# Allegro board 6089-119-RevB_08.brd (continued)
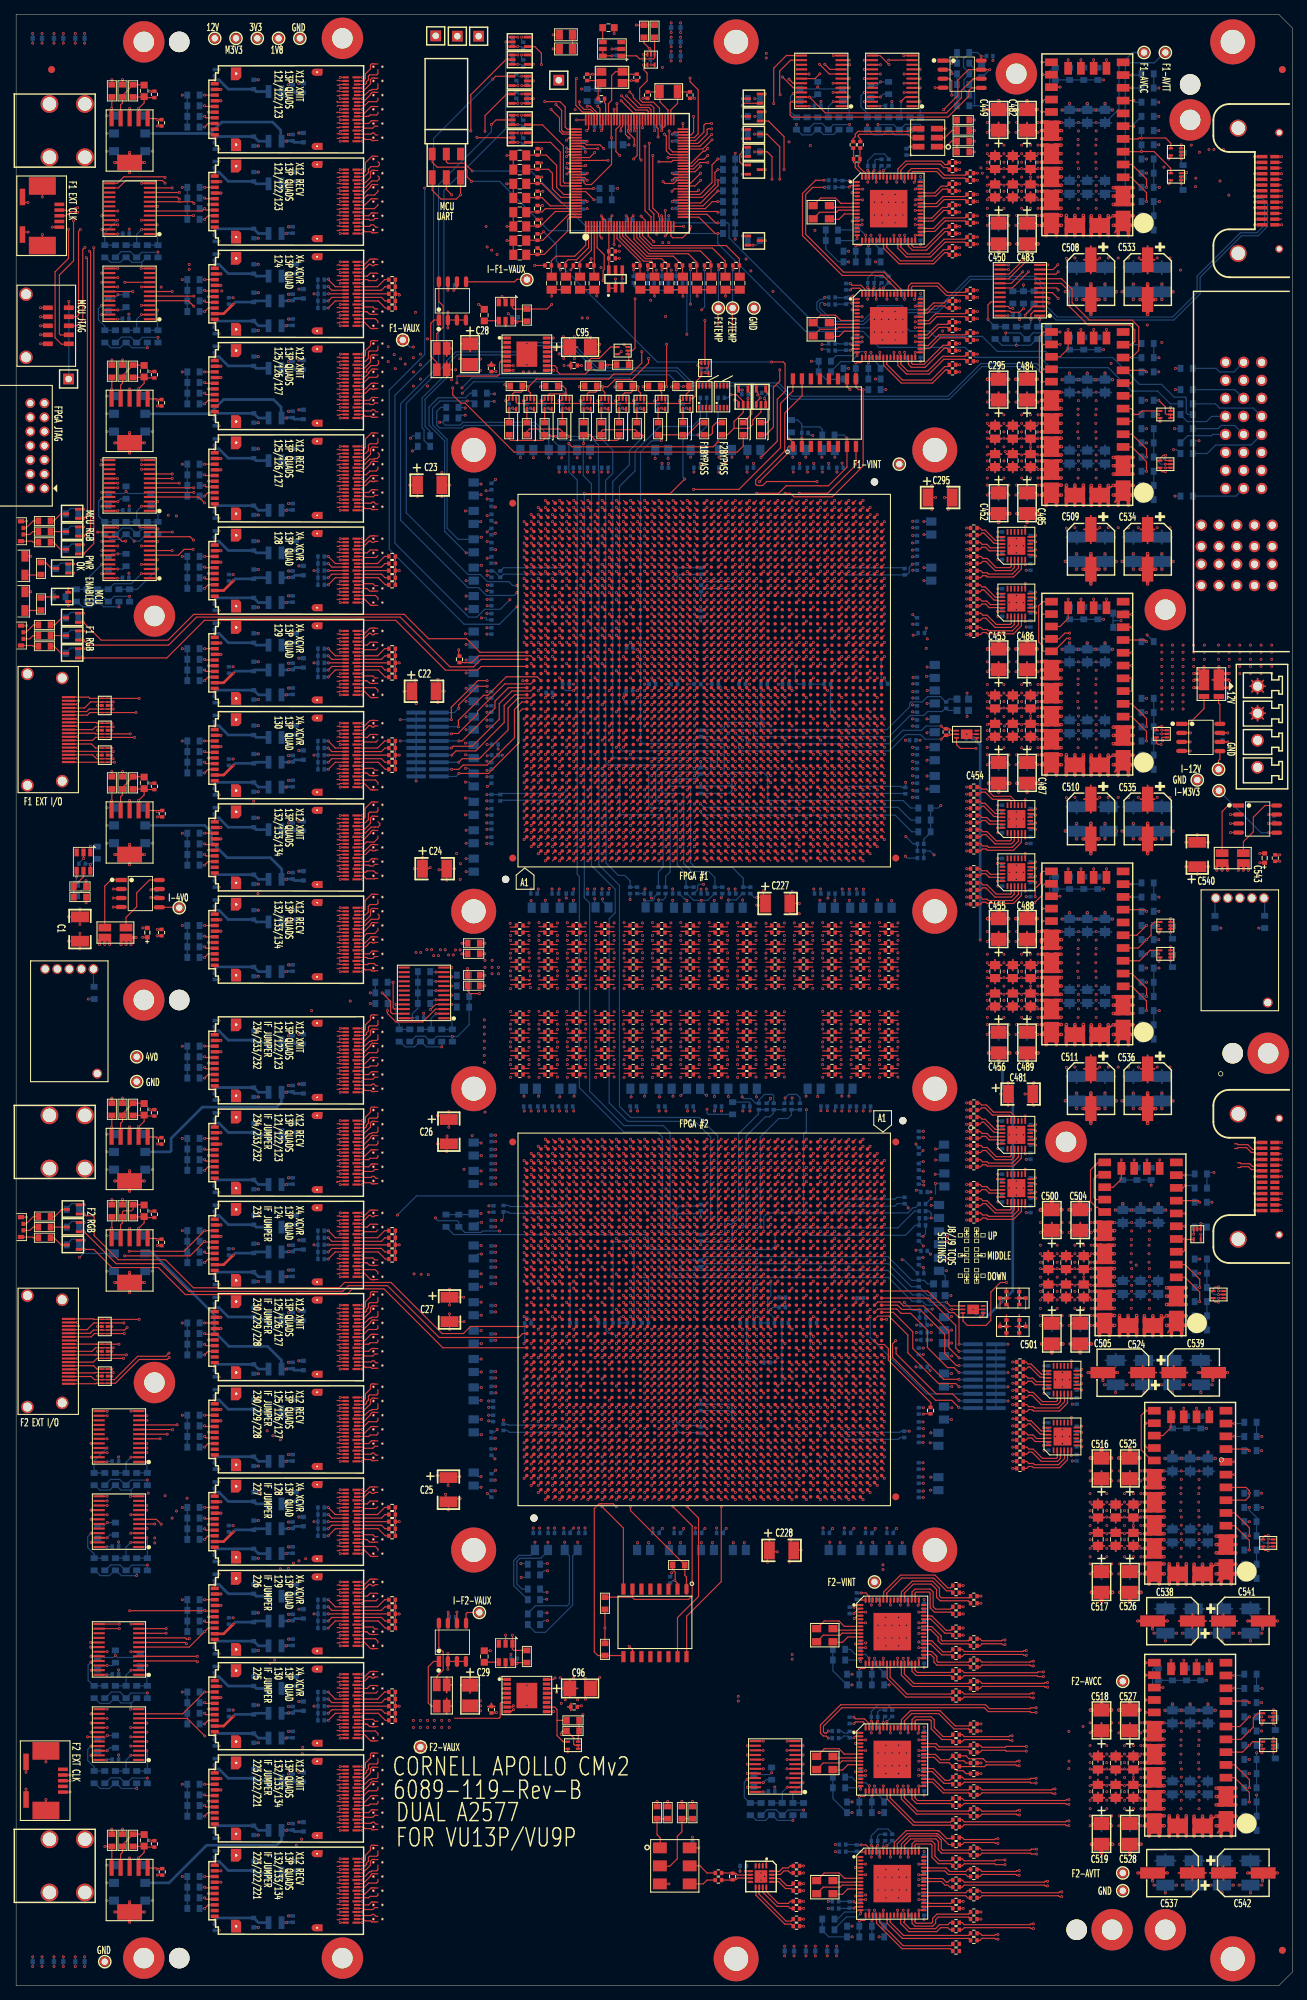
[diagram p0: board, top side]
## Routing (per net, layer and track width the routed paths; a pad name or vN(x,y) marks a point on that pad's centre or on a via; arc(x,y) is an arc through that point) (continued)
NF1_FF6_RECV2: length 70.7
  TOP w0.165: U75.W51 89.61,209.29 ; U30.B15 45.65,183.9 45.56,183.81 45.25,183.81
  SIG4 w0.083: 45.25,183.81 45.45,184.01 arc(45.48,184.03) 45.51,184.04 48.82,184.04 arc(49.3,184.13) 49.7,184.4 arc(50.09,184.66) 50.55,184.75 52.96,184.75 arc(53.78,184.91) 54.48,185.38 56.19,187.09 arc(56.79,187.99) 57,189.04 57,190.69 arc(57.03,190.76) 57.1,190.79 arc(57.17,190.82) 57.2,190.89 57.2,191.02 arc(57.17,191.09) 57.1,191.12 arc(57.03,191.15) 57,191.22 57,191.35 arc(57.03,191.42) 57.1,191.45 arc(57.17,191.48) 57.2,191.55 57.2,191.68 arc(57.17,191.75) 57.1,191.78 arc(57.03,191.81) 57,191.88 57,192.01 arc(57.03,192.08) 57.1,192.11 arc(57.17,192.14) 57.2,192.21 57.2,192.34 arc(57.17,192.41) 57.1,192.44 arc(57.03,192.47) 57,192.54 57,199.8 arc(57.15,200.54) 57.57,201.17 70.64,214.25 arc(71.13,214.58) 71.71,214.69 84.87,214.69 arc(85.6,214.55) 86.22,214.13 89.59,210.76 arc(89.89,210.32) 89.99,209.8 89.99,209.11 arc(89.93,208.96) 89.77,208.9 89.69,208.9 arc(89.63,208.92) 89.61,208.98 89.61,209.29
NF1_FF6_RECV3: length 65.9
  TOP w0.165: U30.A15 49.26,183.9 49.3,183.86 49.49,183.86 49.83,183.52 50.16,183.52 50.19,183.49 50.54,183.49 50.57,183.52 51,183.52 ; U75.V49 88.61,207.29
  SIG3 w0.083: 88.61,207.29 88.61,206.98 arc(88.63,206.92) 88.69,206.9 88.77,206.9 arc(88.96,206.97) 89.04,207.16 89.04,209.17 arc(88.86,210.09) 88.34,210.87 87.01,212.19 arc(86.46,212.56) 85.81,212.69 75.47,212.69 arc(75.41,212.67) 75.39,212.61 arc(75.37,212.56) 75.31,212.53 75.14,212.53 arc(75.08,212.56) 75.06,212.61 arc(75.04,212.67) 74.98,212.69 74.81,212.69 arc(74.75,212.67) 74.73,212.61 arc(74.71,212.56) 74.65,212.53 74.48,212.53 arc(74.42,212.56) 74.4,212.61 arc(74.38,212.67) 74.32,212.69 74.15,212.69 arc(74.09,212.67) 74.07,212.61 arc(74.05,212.56) 73.99,212.53 73.82,212.53 arc(73.76,212.56) 73.74,212.61 arc(73.72,212.67) 73.66,212.69 73.49,212.69 arc(73.43,212.67) 73.41,212.61 arc(73.39,212.56) 73.33,212.53 73.16,212.53 arc(73.1,212.56) 73.08,212.61 arc(73.06,212.67) 73,212.69 71.71,212.69 arc(70.49,212.45) 69.45,211.75 57.59,199.89 arc(57.15,199.24) 57,198.48 57,187.98 arc(56.88,187.4) 56.56,186.91 54.09,184.44 arc(53.38,183.96) 52.53,183.8 52.17,183.8 arc(52.14,183.79) 52.11,183.77 52.11,183.76 arc(52.08,183.75) 52.05,183.74 52,183.74 51.88,183.62 arc(51.77,183.54) 51.64,183.52 51,183.52
NF1_FF6_XMIT0: length 61.9
  TOP w0.165: 51,191.28 50.57,191.28 50.54,191.31 50.19,191.31 50.16,191.28 49.88,191.28 49,190.4 U30.A2 ; U75.AA46 91.61,204.29
  SIG2 w0.083: 51,191.28 51.64,191.28 arc(51.77,191.26) 51.88,191.18 52,191.06 52.05,191.06 arc(52.08,191.05) 52.11,191.04 52.11,191.03 arc(52.14,191.01) 52.17,191 52.67,191 arc(53.03,191.08) 53.33,191.28 55.09,193.03 arc(55.61,193.81) 55.79,194.73 55.79,195.96 arc(56.07,197.37) 56.87,198.57 69.34,211.04 arc(70.29,211.68) 71.42,211.9 88.17,211.9 arc(89.12,211.71) 89.92,211.18 90.79,210.31 arc(91.13,209.8) 91.25,209.19 91.25,204.04 arc(91.29,203.94) 91.39,203.9 91.48,203.9 arc(91.57,203.93) 91.61,204.02 91.61,204.29
NF1_FF6_XMIT1: length 70.2
  TOP w0.165: U30.B2 45.65,190.4 45.58,190.47 45.25,190.47 ; U75.Y44 90.61,202.29
  SIG1 w0.083: 90.61,202.29 90.61,202.02 arc(90.57,201.93) 90.48,201.9 90.39,201.9 arc(90.29,201.94) 90.25,202.04 90.25,209.43 arc(90.17,209.81) 89.95,210.14 88.85,211.25 arc(88.13,211.73) 87.27,211.9 67.25,211.9 arc(66.47,211.75) 65.81,211.3 55.43,200.93 arc(54.96,200.22) 54.79,199.38 54.79,192.16 arc(54.68,191.58) 54.35,191.09 53.72,190.47 arc(53.15,190.08) 52.47,189.95 49.96,189.95 arc(49.77,189.99) 49.6,190.1 arc(49.44,190.21) 49.25,190.25 45.51,190.25 arc(45.48,190.25) 45.45,190.27 45.25,190.47
NF1_FF6_XMIT2: length 59.8
  TOP w0.165: U30.A5 49.5,188.9 49.91,189.31 50.75,189.31 50.78,189.28 51,189.28 ; U75.W46 89.61,204.29
  SIG2 w0.083: 89.61,204.29 89.61,204.02 arc(89.57,203.93) 89.48,203.9 89.39,203.9 arc(89.29,203.94) 89.25,204.04 89.25,209.01 arc(89.1,209.74) 88.69,210.36 88.55,210.5 arc(88.11,210.8) 87.59,210.9 72.44,210.9 arc(71.53,210.72) 70.75,210.2 57.51,196.96 arc(56.98,196.16) 56.79,195.23 56.79,193.29 arc(56.64,192.55) 56.22,191.92 53.68,189.38 arc(53.27,189.1) 52.78,189 52.72,189 52.17,189 arc(52.14,189.01) 52.11,189.03 52.11,189.04 arc(52.08,189.05) 52.05,189.06 52,189.06 51.88,189.18 arc(51.77,189.26) 51.64,189.28 51,189.28
NF1_FF6_XMIT3: length 68.3
  TOP w0.165: U30.B5 45.65,188.9 45.58,188.97 45.25,188.97 ; U75.V44 88.61,202.29
  SIG1 w0.083: 88.61,202.29 88.61,202.02 arc(88.57,201.93) 88.48,201.9 88.39,201.9 arc(88.29,201.94) 88.25,202.04 88.25,209.28 arc(88.16,209.76) 87.89,210.16 87.54,210.51 arc(87.1,210.8) 86.59,210.9 67.75,210.9 arc(67.06,210.76) 66.48,210.37 56.27,200.16 arc(55.91,199.64) 55.79,199.01 55.79,191.55 arc(55.65,190.85) 55.26,190.26 53.68,188.68 arc(52.93,188.18) 52.04,188 50.82,188 arc(50.29,188.1) 49.85,188.4 arc(49.47,188.66) 49.02,188.75 45.51,188.75 arc(45.48,188.75) 45.45,188.77 45.25,188.97
NF1_FF7_RECV0: length 80.2
  TOP w0.165: U31.B18 45.65,169.4 45.56,169.31 45.25,169.31 ; U75.U51 87.61,209.29
  SIG4 w0.083: 87.61,209.29 87.61,208.98 arc(87.63,208.92) 87.69,208.9 87.77,208.9 arc(88.12,208.75) 88.26,208.41 88.26,208.14 arc(88.22,207.93) 88.1,207.75 arc(87.97,207.67) 87.83,207.64 85.6,207.64 arc(85.38,207.68) 85.2,207.81 arc(85.08,207.98) 85.04,208.18 85.04,209.31 arc(84.9,210.01) 84.5,210.6 83.92,211.18 arc(83.36,211.56) 82.69,211.69 72.37,211.69 arc(71.79,211.57) 71.29,211.24 60.55,200.5 arc(60.14,199.89) 60,199.18 60,177.71 arc(59.79,176.66) 59.2,175.78 54.06,170.64 arc(53.18,170.05) 52.13,169.84 49.69,169.84 arc(49.64,169.83) 49.6,169.8 arc(49.3,169.6) 48.96,169.54 45.51,169.54 arc(45.48,169.53) 45.45,169.51 45.25,169.31
NF1_FF7_RECV1: length 76.1
  TOP w0.165: U31.A18 49.1,169.4 49.98,168.52 50.16,168.52 50.19,168.49 50.54,168.49 50.57,168.52 51,168.52 ; U75.T49 86.61,207.29
  SIG3 w0.083: 86.61,207.29 86.61,206.98 arc(86.63,206.92) 86.69,206.9 86.77,206.9 arc(87.12,206.75) 87.26,206.41 87.26,206.14 arc(87.22,205.93) 87.1,205.75 arc(86.97,205.67) 86.83,205.64 84.6,205.64 arc(84.38,205.68) 84.2,205.81 arc(84.08,205.98) 84.04,206.18 84.04,209.38 arc(84.03,209.44) 84,209.48 83.93,209.55 arc(83.78,209.65) 83.59,209.69 71.41,209.69 arc(70.74,209.56) 70.18,209.18 60.58,199.58 arc(60.15,198.94) 60,198.18 60,176.97 arc(59.72,175.57) 58.93,174.38 54.03,169.48 arc(53.27,168.97) 52.37,168.8 52.17,168.8 arc(52.14,168.79) 52.11,168.77 52.11,168.76 arc(52.08,168.75) 52.05,168.74 52,168.74 51.88,168.62 arc(51.77,168.54) 51.64,168.52 51,168.52
NF1_FF7_RECV2: length 76.6
  TOP w0.165: U31.B15 45.65,170.9 45.56,170.81 45.25,170.81 ; U75.R51 85.61,209.29
  SIG4 w0.083: 85.61,209.29 85.61,208.98 arc(85.63,208.92) 85.69,208.9 85.77,208.9 arc(85.93,208.96) 85.99,209.11 85.99,209.65 arc(85.86,210.31) 85.49,210.86 84.24,212.11 arc(83.6,212.54) 82.84,212.69 71.94,212.69 arc(71.38,212.58) 70.91,212.27 59.56,200.91 arc(59.15,200.29) 59,199.56 59,177.92 arc(58.85,177.16) 58.41,176.51 56.49,174.59 arc(56.47,174.54) 56.49,174.49 arc(56.51,174.44) 56.49,174.39 56.36,174.26 arc(56.31,174.24) 56.26,174.26 arc(56.21,174.28) 56.16,174.26 56.03,174.12 arc(56.01,174.07) 56.03,174.02 arc(56.05,173.97) 56.03,173.93 55.89,173.79 arc(55.84,173.77) 55.79,173.79 arc(55.74,173.81) 55.7,173.79 55.56,173.65 arc(55.54,173.6) 55.56,173.56 arc(55.58,173.51) 55.56,173.46 55.42,173.32 arc(55.37,173.3) 55.33,173.32 arc(55.28,173.34) 55.23,173.32 55.09,173.19 arc(55.07,173.14) 55.09,173.09 arc(55.11,173.04) 55.09,172.99 54.96,172.86 arc(54.91,172.84) 54.86,172.86 arc(54.81,172.88) 54.76,172.86 54.49,172.58 arc(53.57,171.97) 52.48,171.75 50.55,171.75 arc(50.09,171.66) 49.7,171.4 arc(49.3,171.13) 48.82,171.04 45.51,171.04 arc(45.48,171.03) 45.45,171.01 45.25,170.81
NF1_FF7_RECV3: length 71.7
  TOP w0.165: 51,170.52 50.57,170.52 50.54,170.49 50.19,170.49 50.16,170.52 49.83,170.52 49.49,170.86 49.3,170.86 49.26,170.9 U31.A15 ; U75.P49 84.61,207.29
  SIG3 w0.083: 84.61,207.29 84.61,206.98 arc(84.63,206.92) 84.69,206.9 84.77,206.9 arc(84.96,206.97) 85.04,207.16 85.04,209.6 arc(84.96,210.02) 84.72,210.37 84.55,210.54 arc(84.38,210.65) 84.18,210.69 76.39,210.69 arc(76.35,210.67) 76.34,210.63 arc(76.32,210.59) 76.28,210.57 76.06,210.57 arc(76.02,210.59) 76.01,210.63 arc(75.99,210.67) 75.95,210.69 75.73,210.69 arc(75.69,210.67) 75.68,210.63 arc(75.66,210.59) 75.62,210.57 75.4,210.57 arc(75.36,210.59) 75.35,210.63 arc(75.33,210.67) 75.29,210.69 75.07,210.69 arc(75.03,210.67) 75.02,210.63 arc(75,210.59) 74.96,210.57 74.74,210.57 arc(74.7,210.59) 74.69,210.63 arc(74.67,210.67) 74.63,210.69 74.41,210.69 arc(74.37,210.67) 74.36,210.63 arc(74.34,210.59) 74.3,210.57 74.08,210.57 arc(74.04,210.59) 74.03,210.63 arc(74.01,210.67) 73.97,210.69 73.75,210.69 arc(73.71,210.67) 73.7,210.63 arc(73.68,210.59) 73.64,210.57 73.42,210.57 arc(73.38,210.59) 73.37,210.63 arc(73.35,210.67) 73.31,210.69 71.64,210.69 arc(70.81,210.53) 70.1,210.06 59.68,199.64 arc(59.18,198.88) 59,197.99 59,177.69 arc(58.78,176.59) 58.16,175.66 54.08,171.58 arc(53.21,171) 52.19,170.8 52.17,170.8 arc(52.14,170.79) 52.11,170.77 52.11,170.76 arc(52.08,170.75) 52.05,170.74 52,170.74 51.88,170.62 arc(51.77,170.54) 51.64,170.52 51,170.52
NF1_FF7_XMIT0: length 64.3
  TOP w0.165: U31.A2 49,177.4 49.88,178.28 50.16,178.28 50.19,178.31 50.54,178.31 50.57,178.28 51,178.28 ; U75.U46 87.61,204.29
  SIG2 w0.083: 51,178.28 51.64,178.28 arc(51.77,178.26) 51.88,178.18 52,178.06 52.05,178.06 arc(52.08,178.05) 52.11,178.04 52.11,178.03 arc(52.14,178.01) 52.17,178 53.64,178 54.72,178 arc(55.73,178.2) 56.58,178.77 57.25,179.45 arc(57.65,180.04) 57.79,180.75 57.79,194.4 arc(58.04,195.64) 58.73,196.68 68.12,206.06 arc(69.05,206.69) 70.16,206.91 85.75,206.91 arc(86.07,206.78) 86.2,206.46 86.2,204.05 arc(86.24,203.94) 86.35,203.9 87.3,203.9 arc(87.52,203.99) 87.61,204.21 87.61,204.29
NF1_FF7_XMIT1: length 66.3
  TOP w0.165: 45.25,177.47 45.58,177.47 45.65,177.4 U31.B2 ; U75.T44 86.61,202.29
  SIG1 w0.083: 45.25,177.47 45.45,177.27 arc(45.48,177.25) 45.51,177.25 49.25,177.25 arc(49.44,177.21) 49.6,177.1 arc(49.77,176.99) 49.96,176.95 51.22,176.95 arc(51.81,177.07) 52.3,177.4 56.16,181.25 arc(56.63,181.96) 56.79,182.79 56.79,193.64 arc(56.99,194.65) 57.57,195.51 67.32,205.27 arc(68.03,205.74) 68.87,205.91 84.55,205.91 arc(85.05,205.7) 85.26,205.2 85.26,202.2 arc(85.34,201.99) 85.55,201.91 86.4,201.91 arc(86.55,201.97) 86.61,202.12 86.61,202.29
NF1_FF7_XMIT2: length 61.6
  TOP w0.165: U75.R46 85.61,204.29 ; U31.A5 49.5,175.9 49.91,176.31 50.75,176.31 50.78,176.28 51,176.28
  SIG2 w0.083: 51,176.28 51.64,176.28 arc(51.77,176.26) 51.88,176.18 52,176.06 52.05,176.06 arc(52.08,176.05) 52.11,176.04 52.11,176.03 arc(52.14,176.01) 52.17,176 53.44,176 54.22,176 arc(55.23,176.2) 56.08,176.77 57.83,178.52 arc(58.54,179.59) 58.79,180.85 58.79,194.24 arc(59,195.3) 59.6,196.2 68.74,205.34 arc(69.32,205.72) 70,205.86 84.75,205.86 arc(85.07,205.73) 85.2,205.41 85.2,204.07 arc(85.25,203.95) 85.37,203.9 85.5,203.9 arc(85.58,203.93) 85.61,204.01 85.61,204.29
NF1_FF7_XMIT3: length 64.6
  TOP w0.165: U75.P44 84.61,202.29 ; U31.B5 45.65,175.9 45.58,175.97 45.25,175.97
  SIG1 w0.083: 84.61,202.29 84.61,202.21 arc(84.52,201.99) 84.3,201.9 79.5,201.9 arc(79.29,201.99) 79.2,202.2 79.2,204.31 arc(79.04,204.7) 78.65,204.86 69.31,204.86 arc(68.34,204.67) 67.52,204.12 58.43,195.03 arc(57.96,194.32) 57.79,193.48 57.79,181.51 arc(57.55,180.29) 56.85,179.25 53.05,175.45 arc(52.56,175.12) 51.97,175 50.82,175 arc(50.29,175.1) 49.85,175.4 arc(49.47,175.66) 49.02,175.75 45.51,175.75 arc(45.48,175.75) 45.45,175.77 45.25,175.97
NF1_G_RECV0: length 21.9
  TOP w0.165: C105.1 82.38,141.73 81.69,141.73 ; U75.N1 83.61,158.51
  SIG4 w0.083: 81.69,141.73 81.9,141.52 arc(81.92,141.51) 81.95,141.5 82.9,141.5 arc(83.49,141.75) 83.74,142.34 83.74,150.86 arc(83.74,150.92) 83.75,150.99 arc(83.8,151.16) 83.86,151.32 arc(83.96,151.67) 84,152.04 84,152.32 83.8,152.52 83.8,152.85 84,153.05 84,153.38 83.8,153.58 83.8,153.91 84,154.11 84,154.27 83.99,154.28 83.99,154.74 84,154.74 84,155.36 83.9,155.46 83.9,155.79 84,155.89 84,156.22 83.9,156.32 83.9,156.65 84,156.75 84,157.08 83.9,157.18 83.9,157.51 84,157.61 84,158.68 arc(83.93,158.84) 83.77,158.9 83.69,158.9 arc(83.63,158.88) 83.61,158.82 83.61,158.51
NF1_G_RECV1: length 21.2
  TOP w0.165: U75.M3 82.61,160.51 ; C103.1 82.38,144.23 81.69,144.23
  SIG4 w0.083: 82.61,160.51 82.61,160.82 arc(82.63,160.88) 82.69,160.9 82.77,160.9 arc(82.93,160.84) 83,160.68 83,158.22 82.85,158.07 82.85,157.74 83,157.59 83,157.26 82.85,157.11 82.85,156.78 83,156.63 83,156.3 82.85,156.15 82.85,155.82 83,155.67 83,155.34 82.85,155.19 82.85,154.86 83,154.71 83,154.38 82.85,154.23 82.85,153.9 83,153.75 83,152.36 arc(83,152.3) 83.01,152.23 arc(83.05,152.08) 83.12,151.93 arc(83.22,151.69) 83.25,151.43 83.25,144.45 arc(83.12,144.13) 82.8,144 81.95,144 arc(81.92,144.01) 81.9,144.02 81.69,144.23
NF1_G_RECV2: length 16.1
  TOP w0.165: U75.L1 81.61,158.51 ; 81.69,146.73 82.38,146.73 C101.1
  SIG4 w0.083: 81.69,146.73 81.9,146.52 arc(81.92,146.51) 81.95,146.5 82.2,146.5 arc(82.52,146.63) 82.65,146.95 82.65,150.7 arc(82.62,151) 82.52,151.28 arc(82.45,151.4) 82.38,151.5 arc(82.26,151.69) 82.16,151.89 82.03,152.2 arc(82.01,152.28) 82,152.36 82,152.51 81.85,152.66 81.85,152.99 82,153.14 82,153.47 81.85,153.62 81.85,153.95 82,154.1 82,154.81 81.9,154.91 81.9,155.24 82,155.34 82,155.67 81.9,155.77 81.9,156.1 82,156.2 82,156.53 81.9,156.63 81.9,156.96 82,157.06 82,157.39 81.9,157.49 81.9,157.82 82,157.92 82,158.68 arc(81.93,158.84) 81.77,158.9 81.69,158.9 arc(81.63,158.88) 81.61,158.82 81.61,158.51
NF1_G_RECV3: length 15.5
  TOP w0.165: U75.K3 80.61,160.51 ; 81.7,149.23 82.38,149.23 C99.1
  SIG4 w0.083: 80.61,160.51 80.61,160.82 arc(80.63,160.88) 80.69,160.9 80.77,160.9 arc(80.93,160.84) 81,160.68 81,158.26 80.85,158.11 80.85,157.78 81,157.63 81,157.3 80.85,157.15 80.85,156.82 81,156.67 81,156.34 80.85,156.19 80.85,155.86 81,155.71 81,155.38 80.85,155.23 80.85,154.9 81,154.75 81,154.24 80.85,154.09 80.85,153.76 81,153.61 81,152.63 arc(81.11,152.05) 81.44,151.56 81.71,151.3 arc(81.99,150.87) 82.09,150.37 82.09,149.14 arc(82.05,149.04) 81.95,149 81.87,149 arc(81.81,149.02) 81.79,149.08 81.79,149.14 arc(81.76,149.2) 81.7,149.23
NF1_G_XMIT0: length 39.1
  TOP w0.165: C113.2 82.38,129.23 81.69,129.23 ; U75.N6 83.61,163.51
  SIG3 w0.083: 83.61,163.51 83.61,163.82 arc(83.63,163.88) 83.69,163.9 83.77,163.9 arc(83.95,163.83) 84.03,163.65 84.03,155 arc(84.02,154.99) 84.02,154.98 arc(84.01,154.89) 84,154.81 arc(83.95,154.56) 83.86,154.33 83.85,154.31 arc(83.8,154.19) 83.76,154.05 83.75,154.01 arc(83.74,153.94) 83.74,153.88 83.74,139.65 83.6,139.51 83.6,139.18 83.74,139.04 83.74,138.71 83.6,138.57 83.6,138.24 83.74,138.1 83.74,137.77 83.6,137.63 83.6,137.3 83.74,137.16 83.74,136.83 83.6,136.69 83.6,136.36 83.74,136.21 83.74,135.88 83.6,135.74 83.6,135.41 83.74,135.27 83.74,130.7 arc(83.24,129.5) 82.04,129 81.95,129 arc(81.92,129.01) 81.9,129.02 81.69,129.23
NF1_G_XMIT1: length 38.5
  TOP w0.165: C111.2 82.38,131.73 81.69,131.73 ; U75.M8 82.61,165.51
  SIG3 w0.083: 81.69,131.73 81.78,131.64 arc(81.92,131.54) 82.1,131.51 82.68,131.51 arc(82.88,131.56) 83.03,131.69 arc(83.04,131.73) 83.05,131.77 83.05,141.8 82.95,141.9 82.95,142.23 83.05,142.33 83.05,142.66 82.95,142.76 82.95,143.09 83.05,143.19 83.05,143.52 82.95,143.62 82.95,143.95 83.05,144.05 83.05,144.38 82.95,144.48 82.95,144.81 83.05,144.91 83.05,145.24 82.95,145.34 82.95,145.67 83.05,145.77 83.05,146.1 82.95,146.2 82.95,146.53 83.05,146.63 83.05,146.96 82.95,147.06 82.95,147.39 83.05,147.49 83.05,147.82 82.95,147.92 82.95,148.25 83.05,148.35 83.05,165.66 arc(82.98,165.83) 82.81,165.9 82.7,165.9 arc(82.64,165.87) 82.61,165.81 82.61,165.51
NF1_G_XMIT2: length 33.6
  TOP w0.165: 81.69,134.23 82.38,134.23 C109.2 ; U75.L6 81.61,163.51
  SIG3 w0.083: 81.69,134.23 81.9,134.02 arc(81.92,134.01) 81.95,134 82.04,134 arc(82.26,134.04) 82.46,134.15 arc(82.49,134.19) 82.5,134.23 82.5,138.88 arc(82.46,139.16) 82.37,139.42 arc(82.21,139.76) 82.07,140.12 arc(82.06,140.19) 82.05,140.27 82.05,152.6 arc(82.05,152.62) 82.04,152.63 arc(82.01,152.73) 82,152.84 82,153.35 arc(82,153.42) 82.01,153.48 82.04,153.62 arc(82.05,153.66) 82.05,153.7 82.05,154.1 81.85,154.3 81.85,154.34 81.9,154.39 81.9,154.68 81.85,154.73 81.85,154.85 82.05,155.05 82.05,155.38 81.85,155.58 81.85,155.91 82.05,156.11 82.05,156.44 81.85,156.64 81.85,156.97 82.05,157.17 82.05,157.5 81.85,157.7 81.85,158.03 82.05,158.23 82.05,163.63 arc(81.97,163.82) 81.77,163.9 81.69,163.9 arc(81.63,163.88) 81.61,163.82 81.61,163.51
NF1_G_XMIT3: length 33.2
  TOP w0.165: U75.K8 80.61,165.51 ; 81.6,136.73 82.38,136.73 C107.2
  SIG3 w0.083: 81.6,136.73 81.6,136.73 81.8,136.52 arc(81.82,136.51) 81.86,136.5 81.94,136.5 arc(82.01,136.53) 82.04,136.6 82.04,138.38 arc(81.92,138.96) 81.59,139.46 81.14,139.92 arc(80.99,140.13) 80.94,140.39 80.94,143.23 80.8,143.37 80.8,143.7 80.94,143.84 80.94,144.17 80.8,144.31 80.8,144.64 80.94,144.78 80.94,145.11 80.8,145.25 80.8,145.58 80.94,145.72 80.94,146.05 80.8,146.19 80.8,146.52 80.94,146.66 80.94,146.99 80.8,147.13 80.8,147.46 80.94,147.6 80.94,147.93 80.8,148.07 80.8,148.4 80.94,148.54 80.94,154.1 arc(80.96,154.27) 81,154.43 81,154.68 81.04,154.81 81.04,165.75 80.88,165.9 80.69,165.9 arc(80.63,165.88) 80.61,165.82 80.61,165.51
NF1_H_RECV0: length 21.9
  TOP w0.165: U75.J1 79.61,158.51 ; 77.69,141.73 78.38,141.73 C84.1
  SIG4 w0.083: 79.61,158.51 79.61,158.82 arc(79.63,158.88) 79.69,158.9 79.77,158.9 arc(79.93,158.84) 80,158.68 80,157.61 79.9,157.51 79.9,157.18 80,157.08 80,156.75 79.9,156.65 79.9,156.32 80,156.22 80,155.89 79.9,155.79 79.9,155.46 80,155.36 80,154.74 79.99,154.74 79.99,154.28 80,154.27 80,154.11 79.8,153.91 79.8,153.58 80,153.38 80,153.05 79.8,152.85 79.8,152.52 80,152.32 80,152.04 arc(79.96,151.67) 79.86,151.32 arc(79.8,151.16) 79.75,150.99 arc(79.74,150.92) 79.74,150.86 79.74,142.34 arc(79.49,141.75) 78.9,141.5 77.95,141.5 arc(77.92,141.51) 77.9,141.52 77.69,141.73
NF1_H_RECV1: length 21.2
  TOP w0.165: C82.1 78.38,144.23 77.69,144.23 ; U75.H3 78.61,160.51
  SIG4 w0.083: 78.61,160.51 78.61,160.82 arc(78.63,160.88) 78.69,160.9 78.77,160.9 arc(78.93,160.84) 79,160.68 79,158.22 78.85,158.07 78.85,157.74 79,157.59 79,157.26 78.85,157.11 78.85,156.78 79,156.63 79,156.3 78.85,156.15 78.85,155.82 79,155.67 79,155.34 78.85,155.19 78.85,154.86 79,154.71 79,154.38 78.85,154.23 78.85,153.9 79,153.75 79,152.36 arc(79,152.3) 79.01,152.23 arc(79.05,152.08) 79.12,151.93 arc(79.22,151.69) 79.25,151.43 79.25,144.45 arc(79.12,144.13) 78.8,144 77.95,144 arc(77.92,144.01) 77.9,144.02 77.69,144.23
NF1_H_RECV2: length 16.1
  TOP w0.165: U75.G1 77.61,158.51 ; 77.69,146.73 78.38,146.73 C80.1
  SIG4 w0.083: 77.61,158.51 77.61,158.82 arc(77.63,158.88) 77.69,158.9 77.77,158.9 arc(77.93,158.84) 78,158.68 78,157.92 77.9,157.82 77.9,157.49 78,157.39 78,157.06 77.9,156.96 77.9,156.63 78,156.53 78,156.2 77.9,156.1 77.9,155.77 78,155.67 78,155.34 77.9,155.24 77.9,154.91 78,154.81 78,154.1 77.85,153.95 77.85,153.62 78,153.47 78,153.14 77.85,152.99 77.85,152.66 78,152.51 78,152.36 arc(78.01,152.28) 78.03,152.2 78.16,151.89 arc(78.26,151.69) 78.38,151.5 arc(78.45,151.4) 78.52,151.28 arc(78.62,151) 78.65,150.7 78.65,146.95 arc(78.52,146.63) 78.2,146.5 77.95,146.5 arc(77.92,146.51) 77.9,146.52 77.69,146.73
NF1_H_RECV3: length 15.5
  TOP w0.165: C78.1 78.38,149.23 77.7,149.23 ; U75.F3 76.61,160.51
  SIG4 w0.083: 76.61,160.51 76.61,160.82 arc(76.63,160.88) 76.69,160.9 76.77,160.9 arc(76.93,160.84) 77,160.68 77,158.26 76.85,158.11 76.85,157.78 77,157.63 77,157.3 76.85,157.15 76.85,156.82 77,156.67 77,156.34 76.85,156.19 76.85,155.86 77,155.71 77,155.38 76.85,155.23 76.85,154.9 77,154.75 77,154.24 76.85,154.09 76.85,153.76 77,153.61 77,152.63 arc(77.11,152.05) 77.44,151.56 77.71,151.3 arc(77.99,150.87) 78.09,150.37 78.09,149.14 arc(78.05,149.04) 77.95,149 77.87,149 arc(77.81,149.02) 77.79,149.08 77.79,149.14 arc(77.76,149.2) 77.7,149.23
NF1_H_XMIT0: length 39.2
  TOP w0.165: 77.69,129.23 78.38,129.23 C92.2 ; U75.J6 79.61,163.51
  SIG3 w0.083: 77.69,129.23 77.9,129.02 arc(77.92,129.01) 77.95,129 78.04,129 arc(79.24,129.5) 79.74,130.7 79.74,134.43 79.6,134.57 79.6,134.9 79.74,135.04 79.74,135.37 79.6,135.51 79.6,135.84 79.74,135.98 79.74,136.31 79.6,136.45 79.6,136.78 79.74,136.92 79.74,137.25 79.6,137.39 79.6,137.72 79.74,137.86 79.74,138.19 79.6,138.33 79.6,138.66 79.74,138.8 79.74,139.13 79.6,139.27 79.6,139.6 79.74,139.74 79.74,154.26 arc(79.77,154.45) 79.87,154.62 arc(79.9,154.65) 79.92,154.69 arc(79.97,154.82) 80.03,154.95 arc(80.04,154.99) 80.04,155.03 80.04,163.64 arc(79.96,163.83) 79.77,163.9 79.69,163.9 arc(79.63,163.88) 79.61,163.82 79.61,163.51
NF1_H_XMIT1: length 38.5
  TOP w0.165: U75.H8 78.61,165.51 ; C90.2 78.38,131.73 77.69,131.73
  SIG3 w0.083: 77.69,131.73 77.78,131.64 arc(77.92,131.54) 78.1,131.51 78.68,131.51 arc(78.88,131.56) 79.03,131.69 arc(79.04,131.73) 79.05,131.77 79.05,141.8 78.95,141.9 78.95,142.23 79.05,142.33 79.05,142.66 78.95,142.76 78.95,143.09 79.05,143.19 79.05,143.52 78.95,143.62 78.95,143.95 79.05,144.05 79.05,144.38 78.95,144.48 78.95,144.81 79.05,144.91 79.05,145.24 78.95,145.34 78.95,145.67 79.05,145.77 79.05,146.1 78.95,146.2 78.95,146.53 79.05,146.63 79.05,146.96 78.95,147.06 78.95,147.39 79.05,147.49 79.05,147.82 78.95,147.92 78.95,148.25 79.05,148.35 79.05,165.66 arc(78.98,165.83) 78.81,165.9 78.7,165.9 arc(78.64,165.87) 78.61,165.81 78.61,165.51
NF1_H_XMIT2: length 33.6
  TOP w0.165: C88.2 78.38,134.23 77.69,134.23 ; U75.G6 77.61,163.51
  SIG3 w0.083: 77.61,163.51 77.61,163.82 arc(77.63,163.88) 77.69,163.9 77.77,163.9 arc(77.97,163.82) 78.05,163.63 78.05,158.23 77.85,158.03 77.85,157.7 78.05,157.5 78.05,157.17 77.85,156.97 77.85,156.64 78.05,156.44 78.05,156.11 77.85,155.91 77.85,155.58 78.05,155.38 78.05,155.05 77.85,154.85 77.85,154.52 78.05,154.32 78.05,153.7 arc(78.05,153.66) 78.04,153.62 78.01,153.48 arc(78,153.42) 78,153.35 78,152.84 arc(78.01,152.73) 78.04,152.63 arc(78.05,152.62) 78.05,152.6 78.05,140.27 arc(78.06,140.19) 78.07,140.12 arc(78.21,139.76) 78.37,139.42 arc(78.46,139.16) 78.5,138.88 78.5,134.23 arc(78.49,134.19) 78.46,134.15 arc(78.26,134.04) 78.04,134 77.95,134 arc(77.92,134.01) 77.9,134.02 77.69,134.23
NF1_H_XMIT3: length 33.2
  TOP w0.165: U75.F8 76.61,165.51 ; 77.6,136.73 78.38,136.73 C86.2
  SIG3 w0.083: 76.61,165.51 76.61,165.82 arc(76.63,165.88) 76.69,165.9 76.77,165.9 arc(76.96,165.83) 77.04,165.64 77.04,154.63 arc(77.03,154.54) 77.01,154.44 arc(76.96,154.28) 76.94,154.1 76.94,148.54 76.8,148.4 76.8,148.07 76.94,147.93 76.94,147.6 76.8,147.46 76.8,147.13 76.94,146.99 76.94,146.66 76.8,146.52 76.8,146.19 76.94,146.05 76.94,145.72 76.8,145.58 76.8,145.25 76.94,145.11 76.94,144.78 76.8,144.64 76.8,144.31 76.94,144.17 76.94,143.84 76.8,143.7 76.8,143.37 76.94,143.23 76.94,140.39 arc(76.99,140.13) 77.14,139.92 77.59,139.46 arc(77.92,138.96) 78.04,138.38 78.04,136.6 arc(78.01,136.53) 77.94,136.5 77.86,136.5 arc(77.82,136.51) 77.8,136.52 77.6,136.73
NF1_I_RECV0: length 22.2
  TOP w0.165: 73.69,141.73 74.38,141.73 C64.1 ; U75.E1 75.61,158.51
  SIG4 w0.083: 75.61,158.51 75.61,158.7 arc(75.66,158.83) 75.8,158.89 75.91,158.89 arc(75.97,158.87) 75.99,158.81 75.99,158.17 75.9,158.08 75.9,157.75 75.99,157.66 75.99,157.33 75.9,157.24 75.9,156.91 75.99,156.82 75.99,156.49 75.9,156.4 75.9,156.07 75.99,155.98 75.99,155.65 75.9,155.56 75.9,155.23 75.99,155.14 75.99,154.22 75.85,154.08 75.85,153.75 75.99,153.61 75.99,153.28 75.85,153.14 75.85,152.81 75.99,152.67 75.99,152.34 75.85,152.2 75.85,151.87 75.99,151.73 75.99,150.69 arc(75.99,150.65) 75.98,150.61 arc(75.95,150.49) 75.9,150.37 arc(75.78,150.11) 75.74,149.82 75.74,149.64 75.74,149.64 75.74,141.84 arc(75.64,141.61) 75.41,141.51 74.22,141.51 arc(73.93,141.57) 73.69,141.73
NF1_I_RECV1: length 21
  TOP w0.165: 73.69,144.23 74.38,144.23 C62.1 ; U75.D3 74.61,160.51
  SIG4 w0.083: 74.61,160.51 74.61,160.77 arc(74.66,160.89) 74.78,160.94 74.86,160.94 arc(74.96,160.9) 75,160.8 75,158.09 74.9,157.99 74.8,157.89 74.8,157.56 74.9,157.46 75,157.36 75,157.03 74.9,156.93 74.8,156.83 74.8,156.5 74.9,156.39 75,156.29 75,155.96 74.9,155.86 74.8,155.76 74.8,155.43 74.9,155.33 75,155.23 75,154.77 74.99,154.77 74.99,154.3 75,154.3 75,152.2 arc(75.05,151.85) 75.18,151.53 arc(75.26,151.33) 75.3,151.11 75.3,149.83 75.3,149.82 75.3,144.66 arc(75.11,144.2) 74.65,144.01 74.22,144.01 arc(73.93,144.07) 73.69,144.23
NF1_I_RECV2: length 22.3
  TOP w0.165: U75.E5 75.61,162.51 ; 73.69,148.56 74.39,148.56 C59.1
  SIG4 w0.083: 75.61,162.51 75.61,162.54 arc(75.5,162.79) 75.25,162.9 74.4,162.9 arc(74.12,163.02) 74,163.3 74,163.65 arc(73.93,163.83) 73.75,163.9 72.35,163.9 arc(72.25,163.86) 72.21,163.76 72.21,154.9 arc(72.21,154.88) 72.21,154.86 arc(72.2,154.83) 72.2,154.81 72.2,152.64 arc(72.21,152.6) 72.23,152.57 73.75,151.05 arc(74.18,150.41) 74.33,149.65 74.33,149.08 arc(74.24,148.88) 74.04,148.79 73.95,148.79 arc(73.92,148.78) 73.9,148.77 73.69,148.56
